# Altium PCB sombreakout.PcbDoc (part 1 of 3)
Units mm, origin at the board's own origin, x right, y up, seen from the top; angles counter-clockwise.
Board outline 65 x 106 mm, 4 copper layers (Component Side, Ground Plane, Power Plane, Solder Side), stack 1.607 mm thick; 291 components, 275 nets, 1089 pads, 416 vias.
Unrouted connection lines stored in the file: 2.
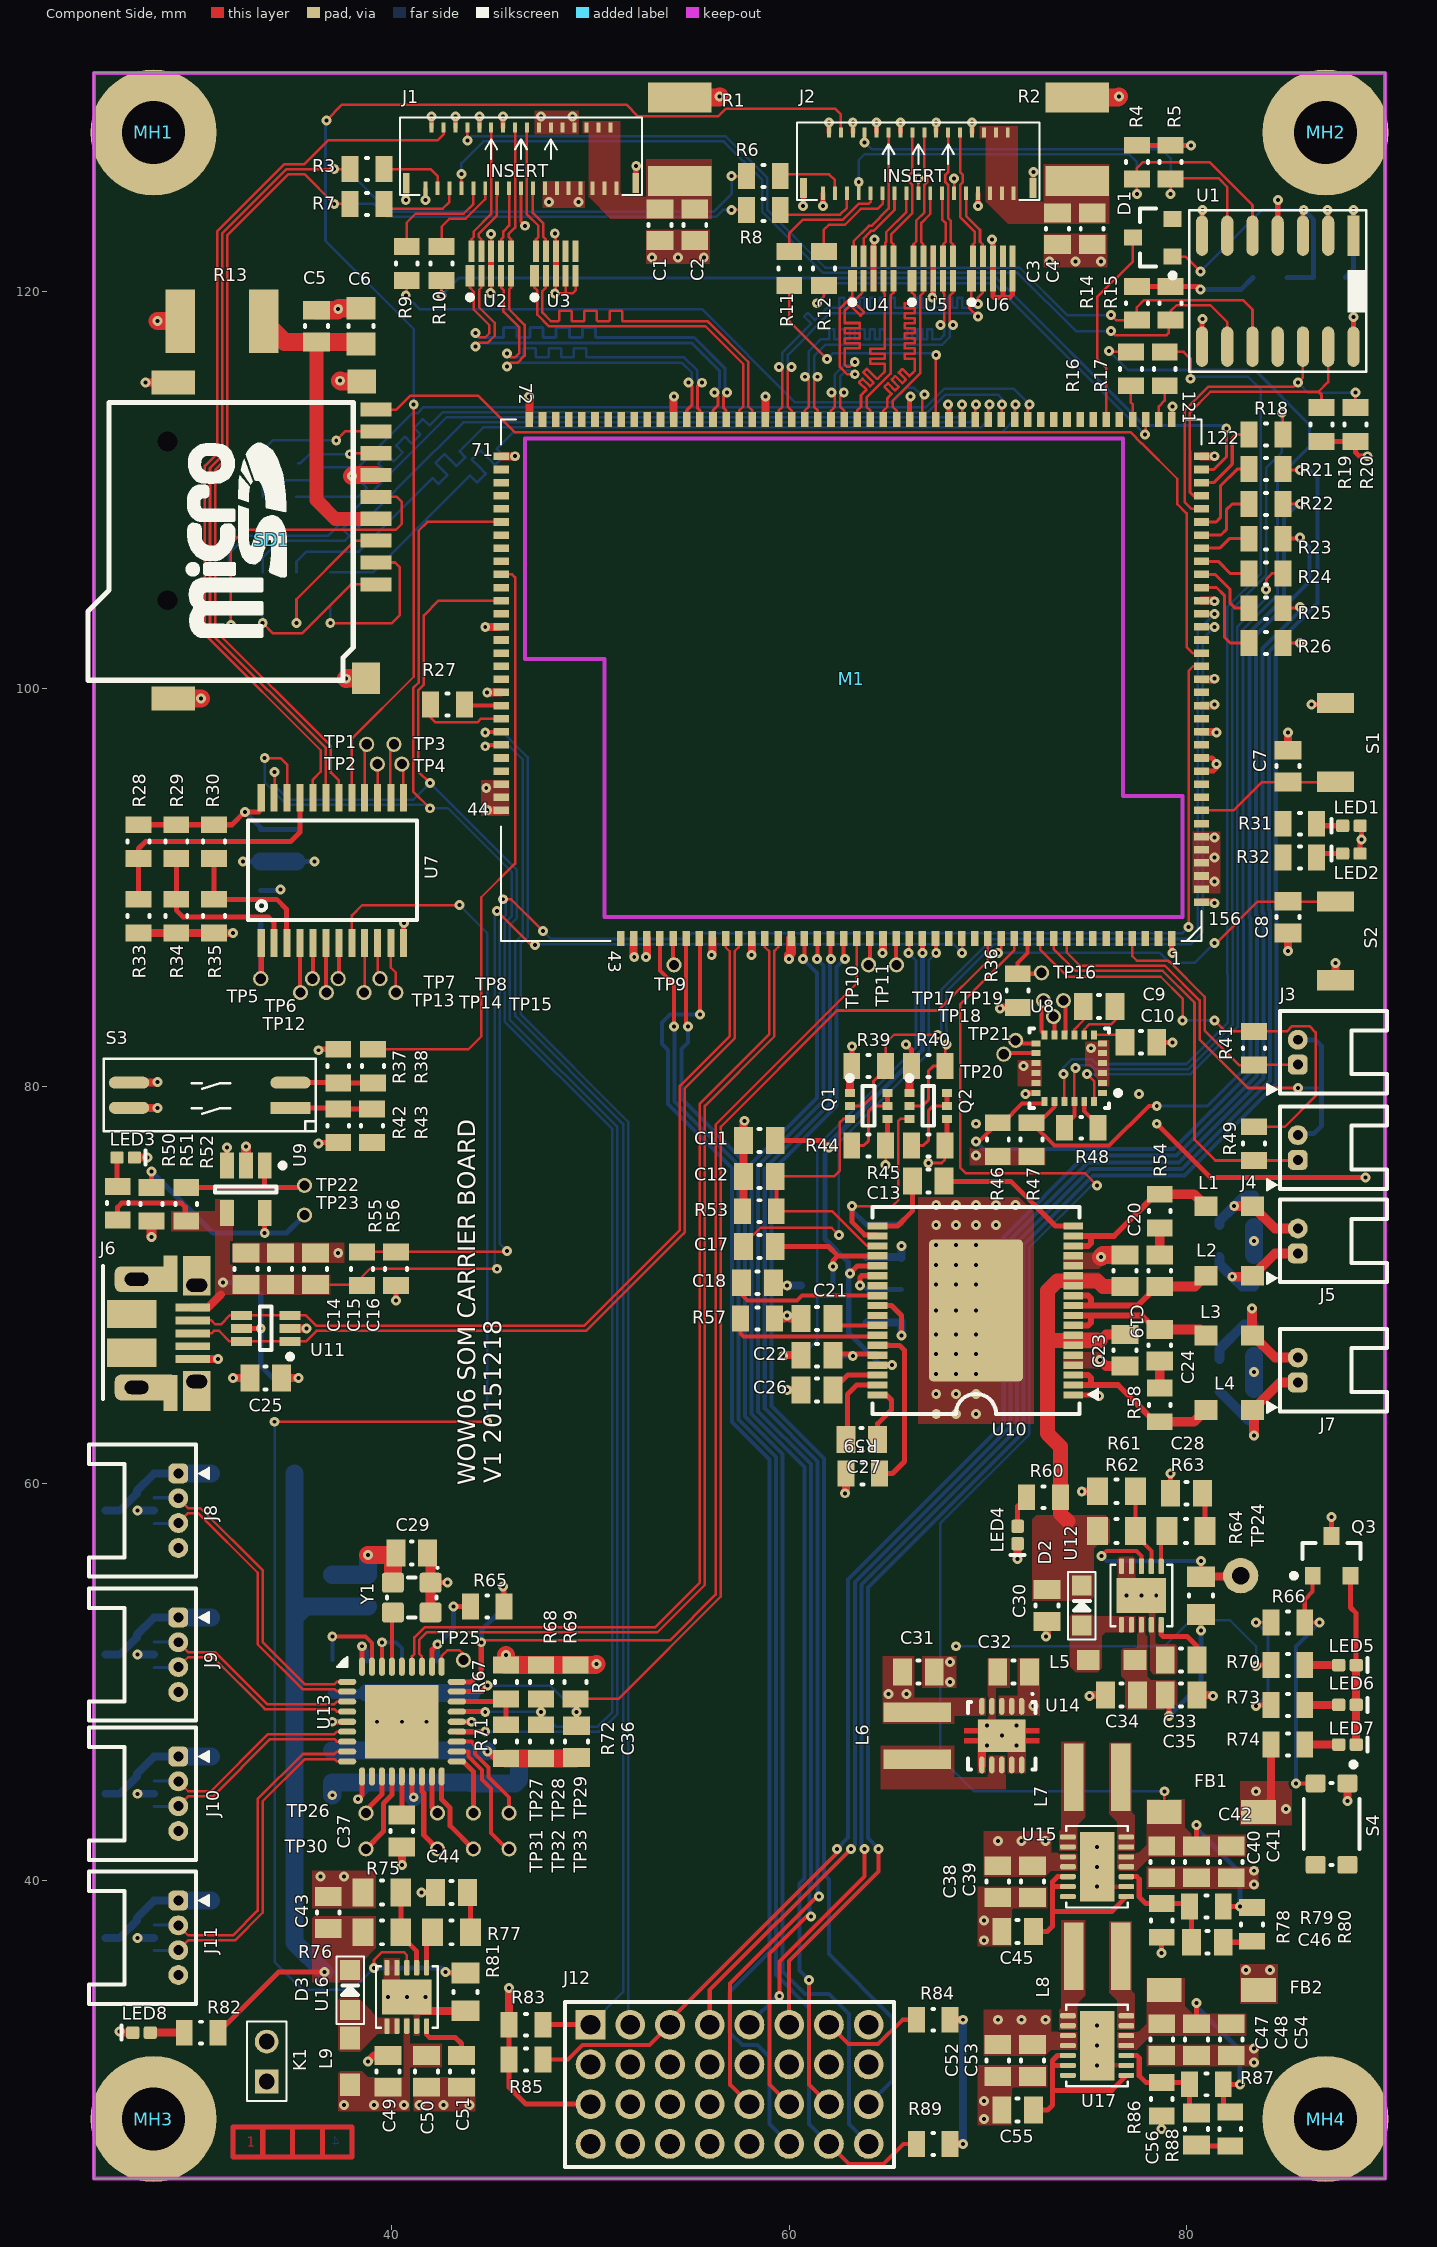
[diagram p0: Component Side view]
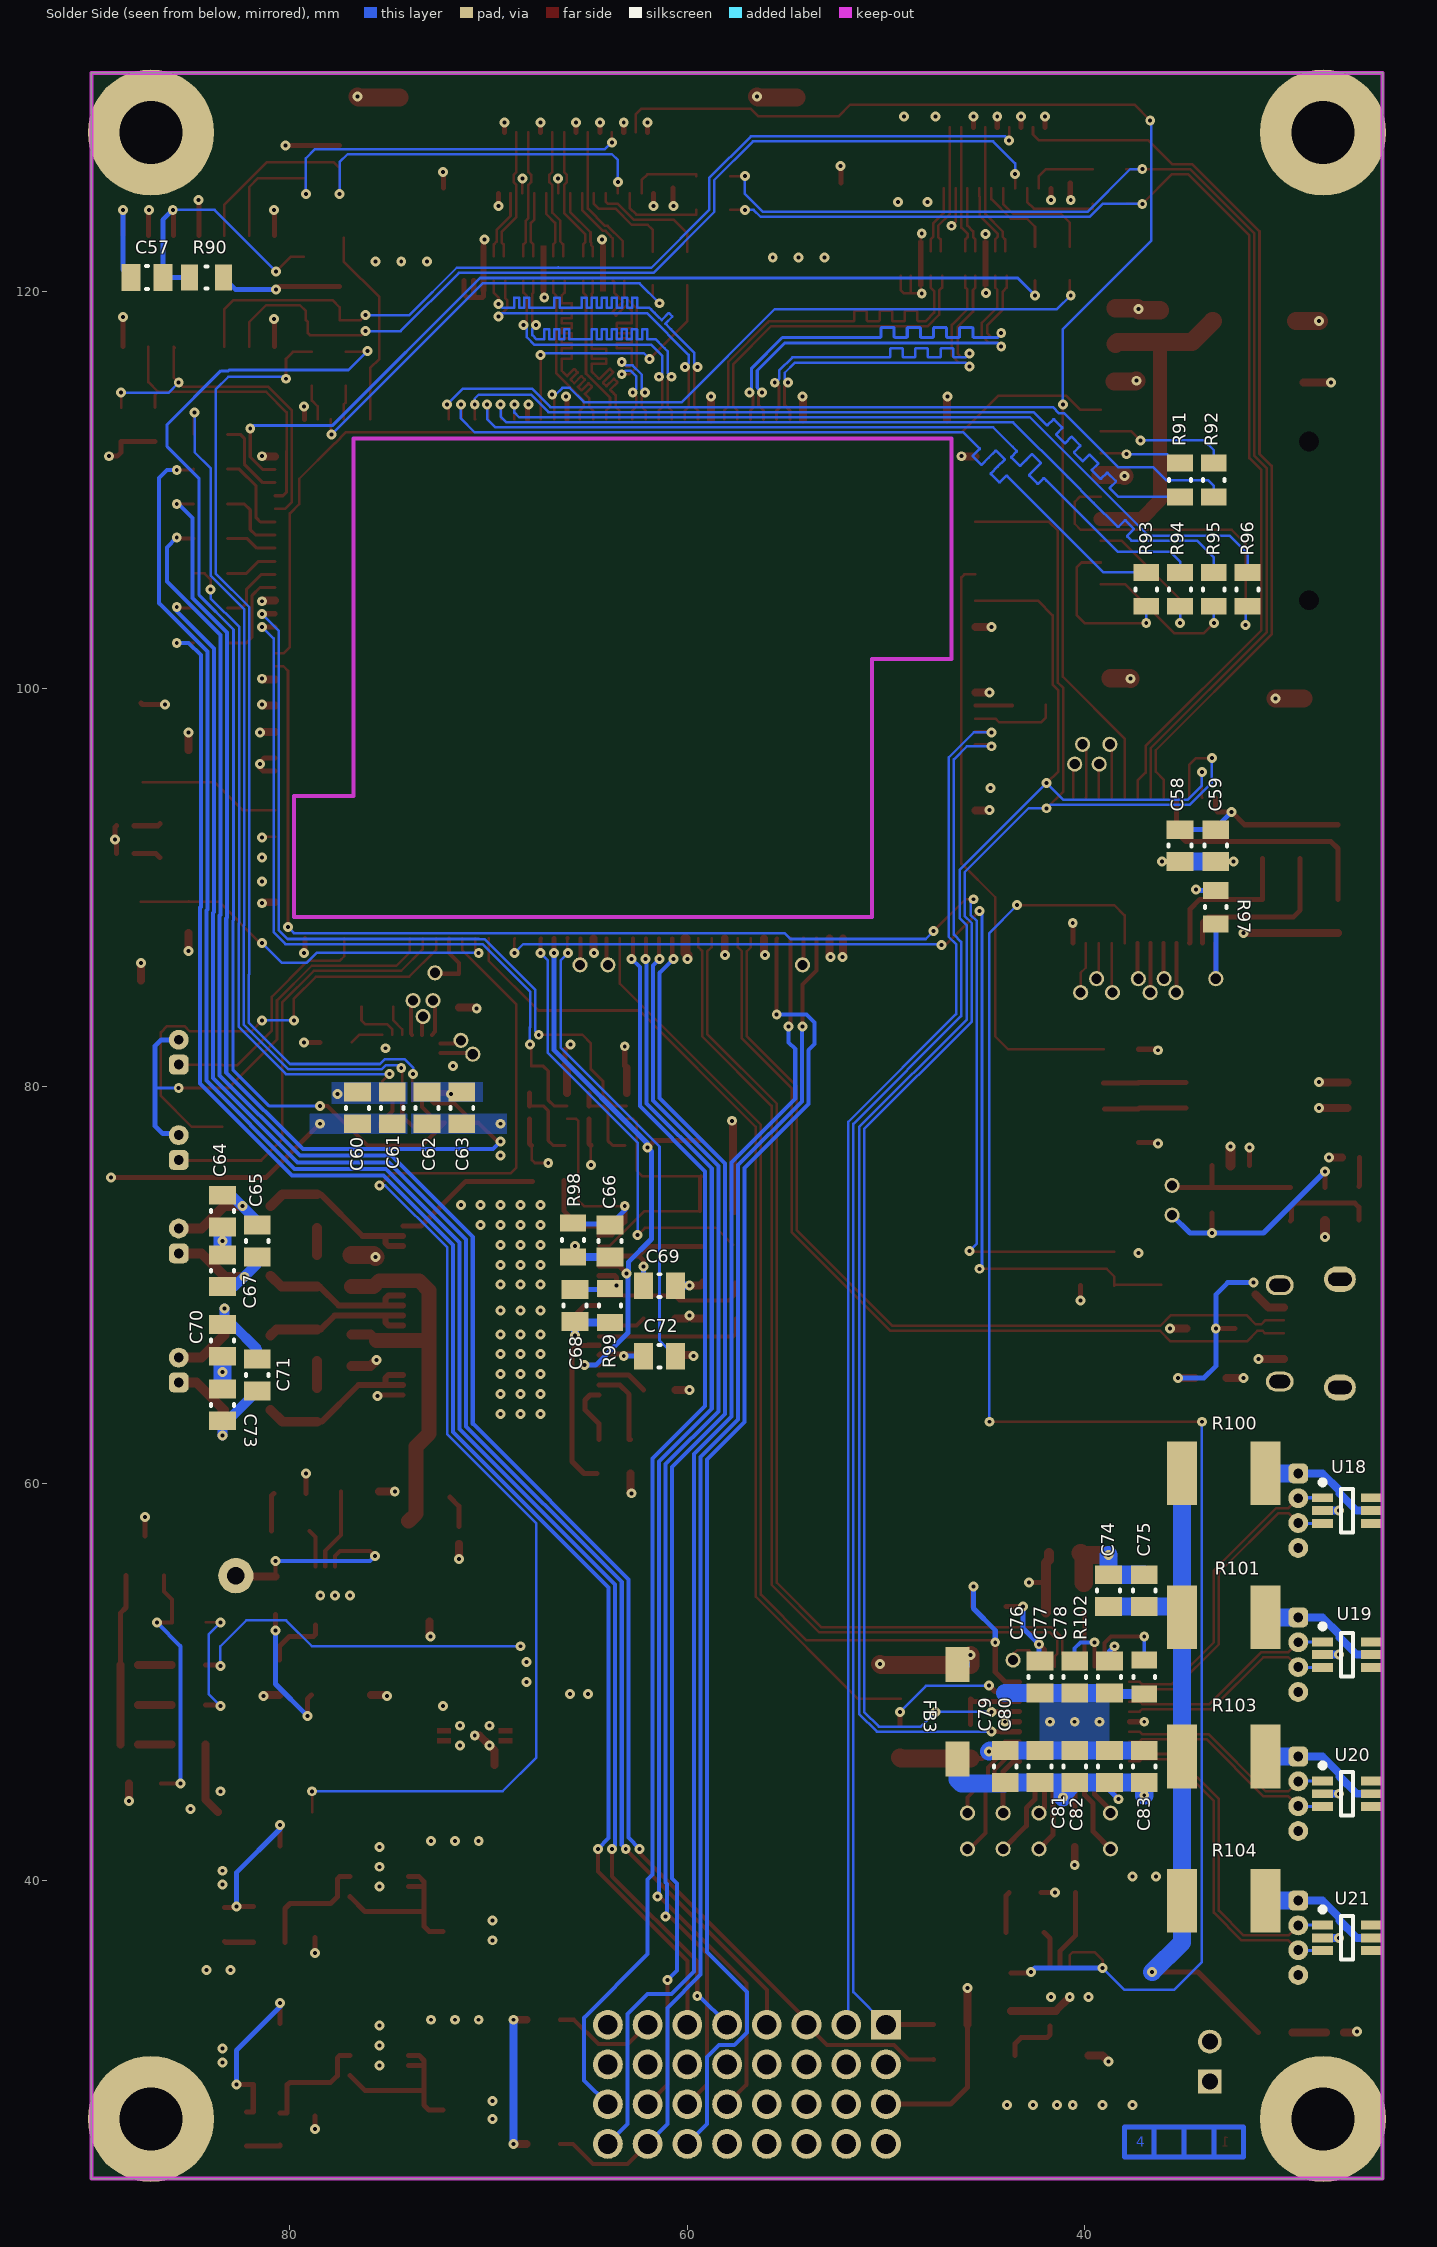
[diagram p1: Solder Side view, seen from below]
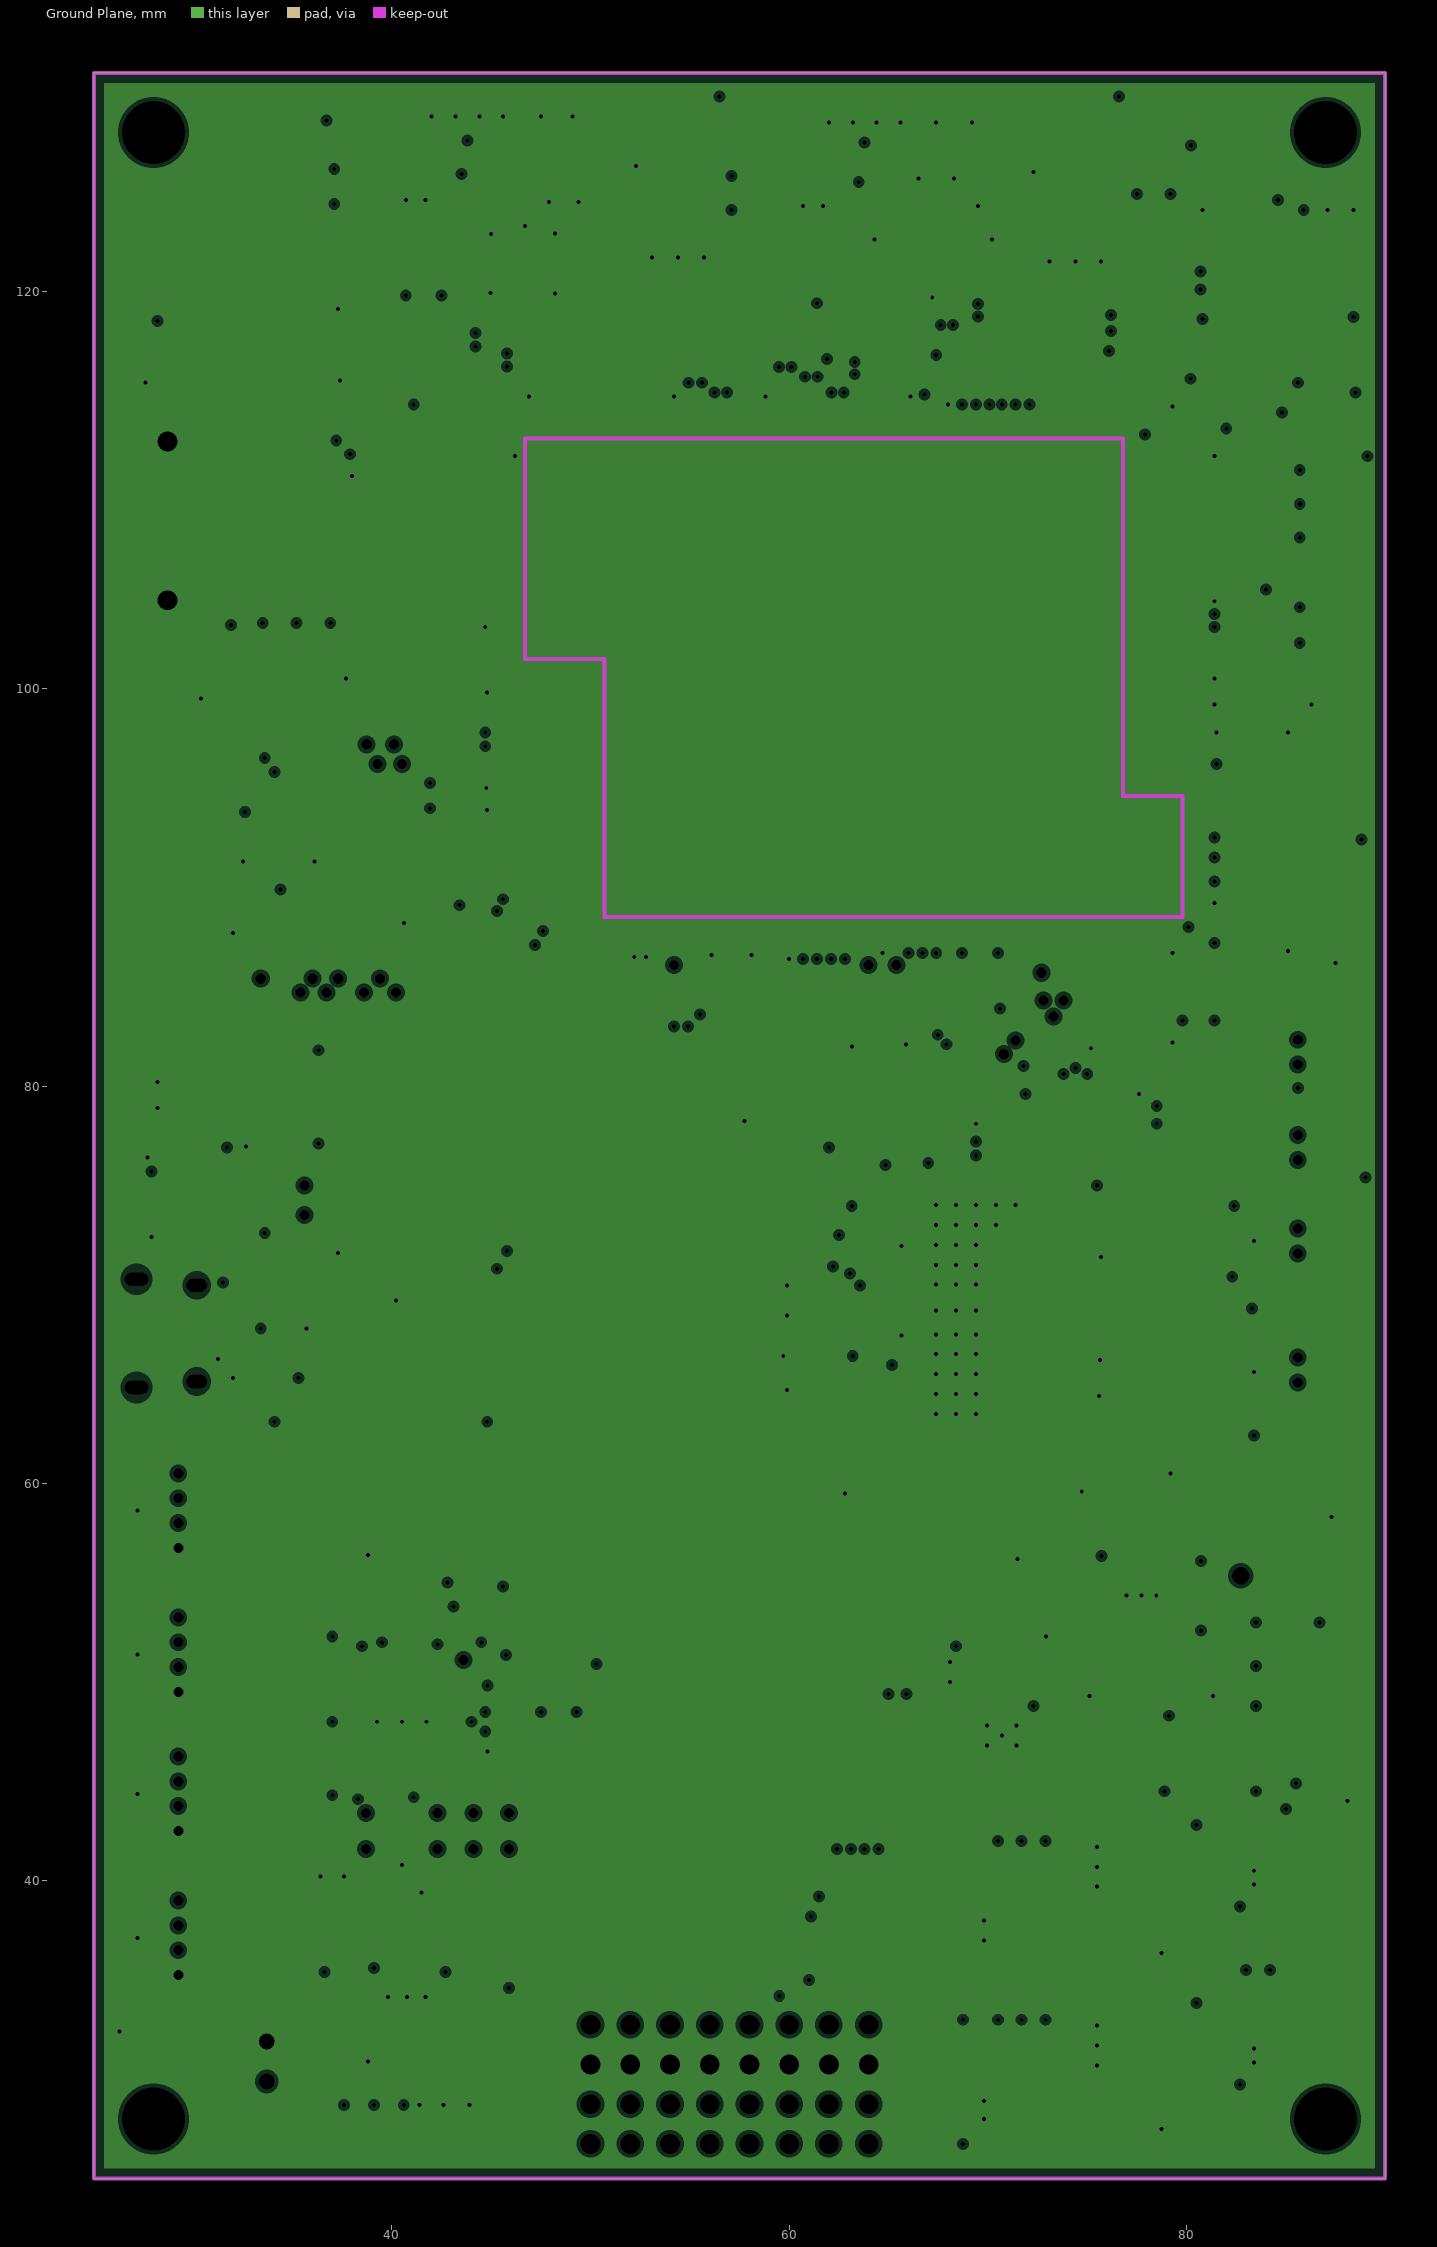
[diagram p2: Ground Plane, clearances drawn from the general rule]
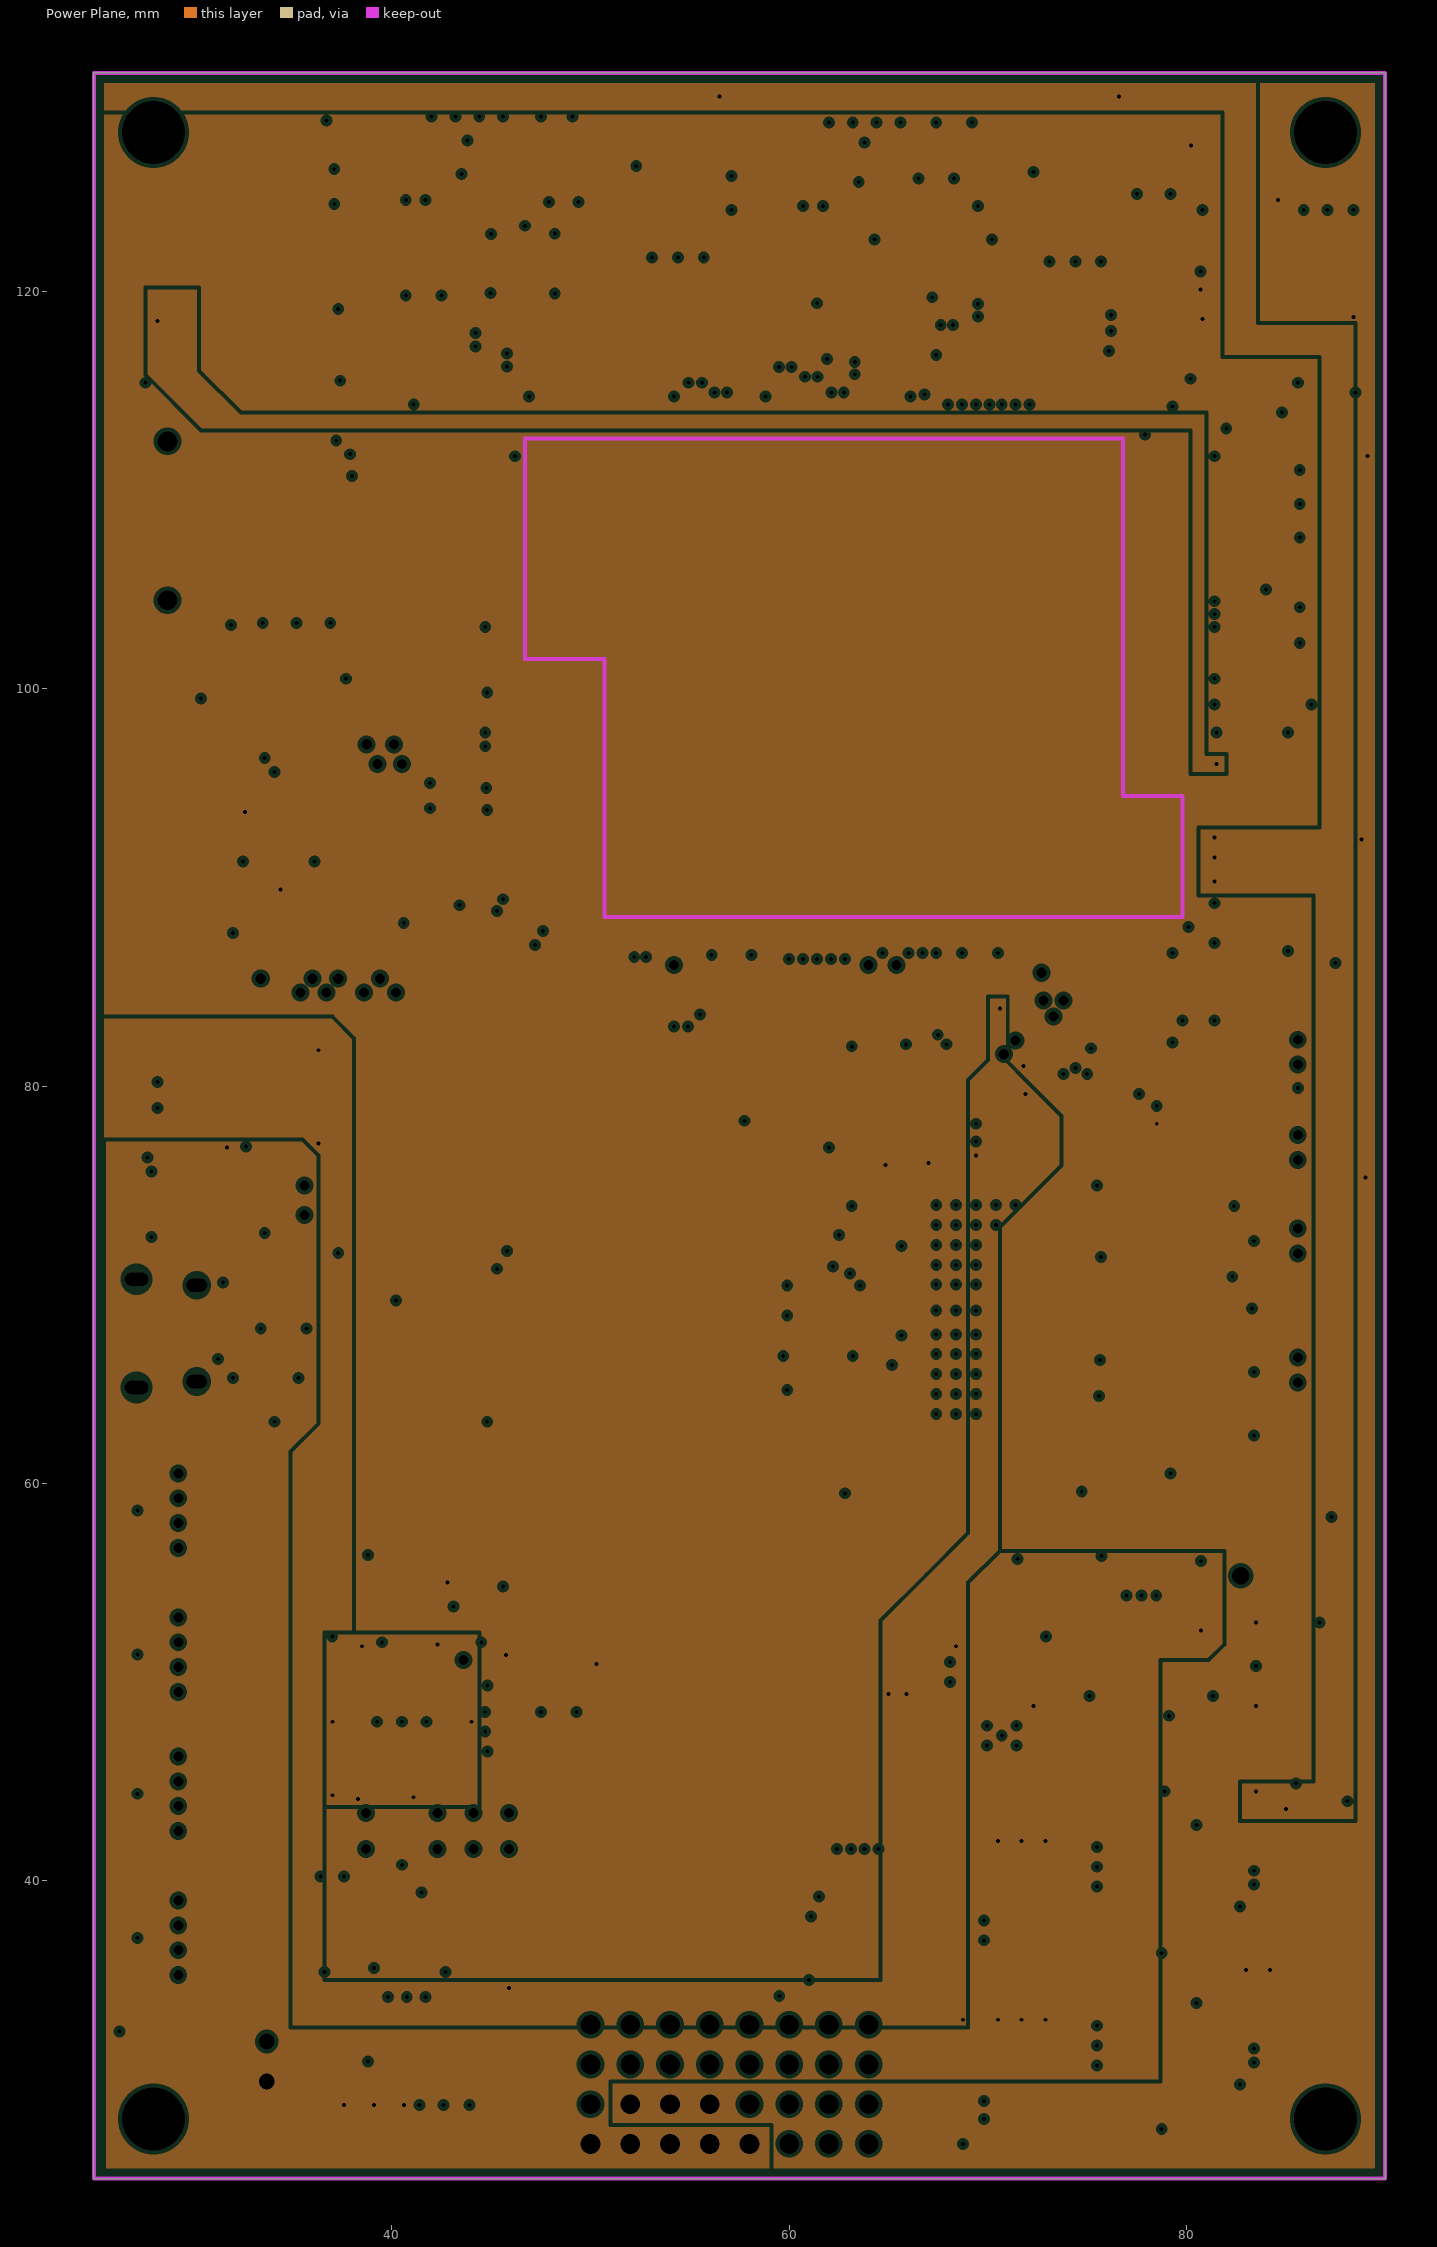
[diagram p3: Power Plane, clearances drawn from the general rule]

## Layer stack, top to bottom
Top Solder: solder mask 0.0102, Solder Resist, Dk 3.5
Component Side: signal copper 0.0356
Dielectric 1: core 0.25, FR-4, Dk 4.8
Ground Plane: plane copper 0.018, net GND
Dielectric 3: prepreg 1, Dk 4.2
Power Plane: plane copper 0.018, net (Multiple Nets)
Dielectric 4: core 0.25, Dk 4.2
Solder Side: signal copper 0.0356
Bottom Solder: solder mask 0.0102, Solder Resist, Dk 3.5

## Board outline
25,25 90,25 90,130 90,131 25,131

## Design rules (kind name [scope] priority, off if disabled: settings)
Clearance [All] p1: gap=0.127
DiffPairsRouting DIFF90 [InNetClass('DIFF90')] p1: maxlimit=0.127 minlimit=0.127 mostfreqgap=0.127 toplayer_minwidth=0.127 toplayer_maxwidth=0.127 toplayer_prefwidth=0.127 bottomlayer_minwidth=0.127 bottomlayer_maxwidth=0.127 bottomlayer_prefwidth=0.127 maxuncoupledlength=12.7
HoleSize [All] p1: absolutevalues=TRUE maxlimit=6.35 minlimit=0.025 maxpercent=80.000 minpercent=20.000
MatchedLengths Match_SD [InNetClass('SD')] p1: tolerance=0.5 checknetsindiffpair=FALSE checkdiffpairvsdiffpair=FALSE checkothers=FALSE
MaxMinImpedance "Schematic Impedance Constraint_15" [InNet('USB_D3_P')] p1: minimum=90.00 maximum=90.00
MaxMinImpedance "Schematic Impedance Constraint_14" [InNet('USB_D3_N')] p2: minimum=90.00 maximum=90.00
MaxMinImpedance "Schematic Impedance Constraint_13" [InNet('USB_D2_P')] p3: minimum=90.00 maximum=90.00
MaxMinImpedance "Schematic Impedance Constraint_12" [InNet('USB_D2_N')] p4: minimum=90.00 maximum=90.00
MaxMinImpedance "Schematic Impedance Constraint_7" [InNet('USB_D2_P')] p5: minimum=90.00 maximum=90.00
PlaneClearance [All] p1: clearance=0.2
PlaneConnect PlaneConnect_Direct [InNet('NetC82_2') OR InNet('VPH_PWR') OR InNet('+3V3') OR InNet('+1.8V') OR InNet('+2V85') OR InNet('VBATT') OR (InNet('GND') AND IsVia)] p1: planeconnectstyle=Direct reliefexpansion=0.508 reliefentries=4 reliefconductorwidth=0.254 reliefairgap=0.254
PlaneConnect PlaneConnect_Default [All] p2: planeconnectstyle=Relief reliefexpansion=0.508 reliefentries=4 reliefconductorwidth=0.254 reliefairgap=0.254
PolygonConnect PolyConnect_Default [All] p1: connectstyle=Direct reliefconductorwidth=0.254 reliefentries=4 polygonreliefangle="90 Angle" airgapwidth=0.254
RoutingVias [All] p1: holewidth=0.2 width=1.27 viastyle="Through Hole" minholewidth=0.2 minwidth=0.5 maxholewidth=0.2 maxwidth=1.27 useviatemplates=TRUE viatemplateguid#1={2F60D7A8-34C3-405C-AAAE-8E3A3887D7C7}
SilkToBoardRegionClearance [All] p1 off:
SilkToSilkClearance [All] p1 off: silktosilkclearance=0.254
SilkToSolderMaskClearance [IsPad] p1 off: minsilkscreentomaskgap=0.254 clearancetoexposedcopper=TRUE
SolderMaskExpansion [All] p1: expansion=0.102
Width [All] p1: maxlimit=0.914 minlimit=0.127 preferedwidth=0.254
23 further rules are at their usual default settings.

## Classes and differential pairs
net class SOM_SCAM: MIPI_CSI1_CLK_N MIPI_CSI1_CLK_P MIPI_CSI1_D0_N MIPI_CSI1_D0_P MIPI_CSI1_D1_N MIPI_CSI1_D1_P
net class SOM_MCAM: MIPI_CSI0_CLK_N MIPI_CSI0_CLK_P MIPI_CSI0_D0_N MIPI_CSI0_D0_P MIPI_CSI0_D1_N MIPI_CSI0_D1_P MIPI_CSI0_D2_N MIPI_CSI0_D2_P MIPI_CSI0_D3_N MIPI_CSI0_D3_P
net class SD: SDC2_CLK SDC2_CMD SDC2_D0 SDC2_D1 SDC2_D2 SDC2_D3
net class SCAM: C1CLK_N C1CLK_P C1D0_N C1D0_P C1D1_N C1D1_P
net class MCAM: C0CLK_N C0CLK_P C0D0_N C0D0_P C0D1_N C0D1_P C0D2_N C0D2_P C0D3_N C0D3_P
component class "4 - Audio Amplifier": C11 C12 C13 C17 C18 C19 C20 C21 C22 C23 C24 C26 C27 C64 C65 C66 C67 C68 C69 C70 C71 C72 C73 J3 J4 J5 J7 L1 L2 L3 L4 Q1 Q2 R39 R40 R41 R44 R45 R49 R53 R54 R57 R58 R59 R98 R99 U10 U28
component class "3 - USB": C14 C25 C29 C36 C37 C74 C75 C76 C77 C78 C79 C80 C81 C82 C83 FB3 J6 J8 J9 J10 J11 R55 R56 R65 R67 R68 R69 R71 R72 R100 R101 R102 R103 R104 TP25 TP26 TP27 TP28 TP29 TP30 TP31 TP32 TP33 U11 U13 U18 U19 U20 U21 Y1
component class "2 - Peripherals": C1 C2 C3 C4 C9 C10 C57 C58 C59 C60 C61 C62 C63 D1 J1 J2 R1 R2 R3 R4 R5 R6 R7 R8 R9 R10 R11 R12 R14 R15 R19 R20 R28 R29 R30 R33 R34 R35 R46 R47 R48 R90 R97 TP1 TP2 TP3 TP4 TP5 TP6 TP7 TP8 TP12 TP13 TP14 TP15 TP17 TP18 TP19 TP20 TP21 U1 U2 U3 U4 U5 U6 U7 U8
component class "6 - Power": C15 C16 C28 C30 C31 C32 C33 C34 C35 C38 C39 C40 C41 C42 C43 C44 C45 C46 C47 C48 C49 C50 C51 C52 C53 C54 C55 C56 D2 D3 FB1 FB2 J12 K1 L5 L6 L7 L8 L9 LED3 LED4 LED5 LED6 LED7 LED8 Q3 R50 R51 R52 R60 R61 R62 R63 R64 R66 R70 R73 R74 R75 R76 R77 R78 R79 R80 R81 R82 R83 R84 R85 R86 R87 R88 R89 S4 TP22 TP23 TP24 U9 U12 U14 U15 U16 U17
component class "1 - SOM": C5 C6 C7 C8 LED1 LED2 M1 MH1 MH2 MH3 MH4 R13 R16 R17 R18 R21 R22 R23 R24 R25 R26 R27 R31 R32 R36 R37 R38 R42 R43 R91 R92 R93 R94 R95 R96 S1 S2 S3 SD1 TP9 TP10 TP11 TP16
net class DIFF90: C0CLK_N C0CLK_P C0D0_N C0D0_P C0D1_N C0D1_P C0D2_N C0D2_P C0D3_N C0D3_P C1CLK_N C1CLK_P C1D0_N C1D0_P C1D1_N C1D1_P MIPI_CSI0_CLK_N MIPI_CSI0_CLK_P MIPI_CSI0_D0_N MIPI_CSI0_D0_P MIPI_CSI0_D1_N MIPI_CSI0_D1_P MIPI_CSI0_D2_N MIPI_CSI0_D2_P MIPI_CSI0_D3_N MIPI_CSI0_D3_P MIPI_CSI1_CLK_N MIPI_CSI1_CLK_P MIPI_CSI1_D0_N MIPI_CSI1_D0_P MIPI_CSI1_D1_N MIPI_CSI1_D1_P USB_D1_N USB_D1_P USB_D2_N USB_D2_P USB_D3_N USB_D3_P USB_D4_N USB_D4_P USB_HOST_D_N USB_HOST_D_P USB_OTG_D_N USB_OTG_D_P
differential pair MIPI_CSI0_D3: +MIPI_CSI0_D3_P -MIPI_CSI0_D3_N
differential pair MIPI_CSI0_D2: +MIPI_CSI0_D2_P -MIPI_CSI0_D2_N
differential pair MIPI_CSI0_D0: +MIPI_CSI0_D0_P -MIPI_CSI0_D0_N
differential pair C1D1: +C1D1_P -C1D1_N
differential pair C1D0: +C1D0_P -C1D0_N
differential pair C1CLK: +C1CLK_P -C1CLK_N
differential pair C0D3: +C0D3_P -C0D3_N
differential pair C0D2: +C0D2_P -C0D2_N
differential pair C0D1: +C0D1_P -C0D1_N
differential pair C0D0: +C0D0_P -C0D0_N
differential pair C0CLK: +C0CLK_P -C0CLK_N
differential pair MIPI_CSI0_CLK: +MIPI_CSI0_CLK_P -MIPI_CSI0_CLK_N
differential pair MIPI_CSI0_D1: +MIPI_CSI0_D1_P -MIPI_CSI0_D1_N
differential pair USB_HOST_D: +USB_HOST_D_P -USB_HOST_D_N
differential pair USB_OTG_D: +USB_OTG_D_P -USB_OTG_D_N
differential pair MIPI_CSI1_CLK: +MIPI_CSI1_CLK_P -MIPI_CSI1_CLK_N
differential pair MIPI_CSI1_D0: +MIPI_CSI1_D0_P -MIPI_CSI1_D0_N
differential pair MIPI_CSI1_D1: +MIPI_CSI1_D1_P -MIPI_CSI1_D1_N
differential pair USB_D1: +USB_D1_P -USB_D1_N
differential pair USB_D2: +USB_D2_P -USB_D2_N
differential pair USB_D3: +USB_D3_P -USB_D3_N
differential pair USB_D4: +USB_D4_P -USB_D4_N
